# KiCad board Engine.kicad_pcb (continued)
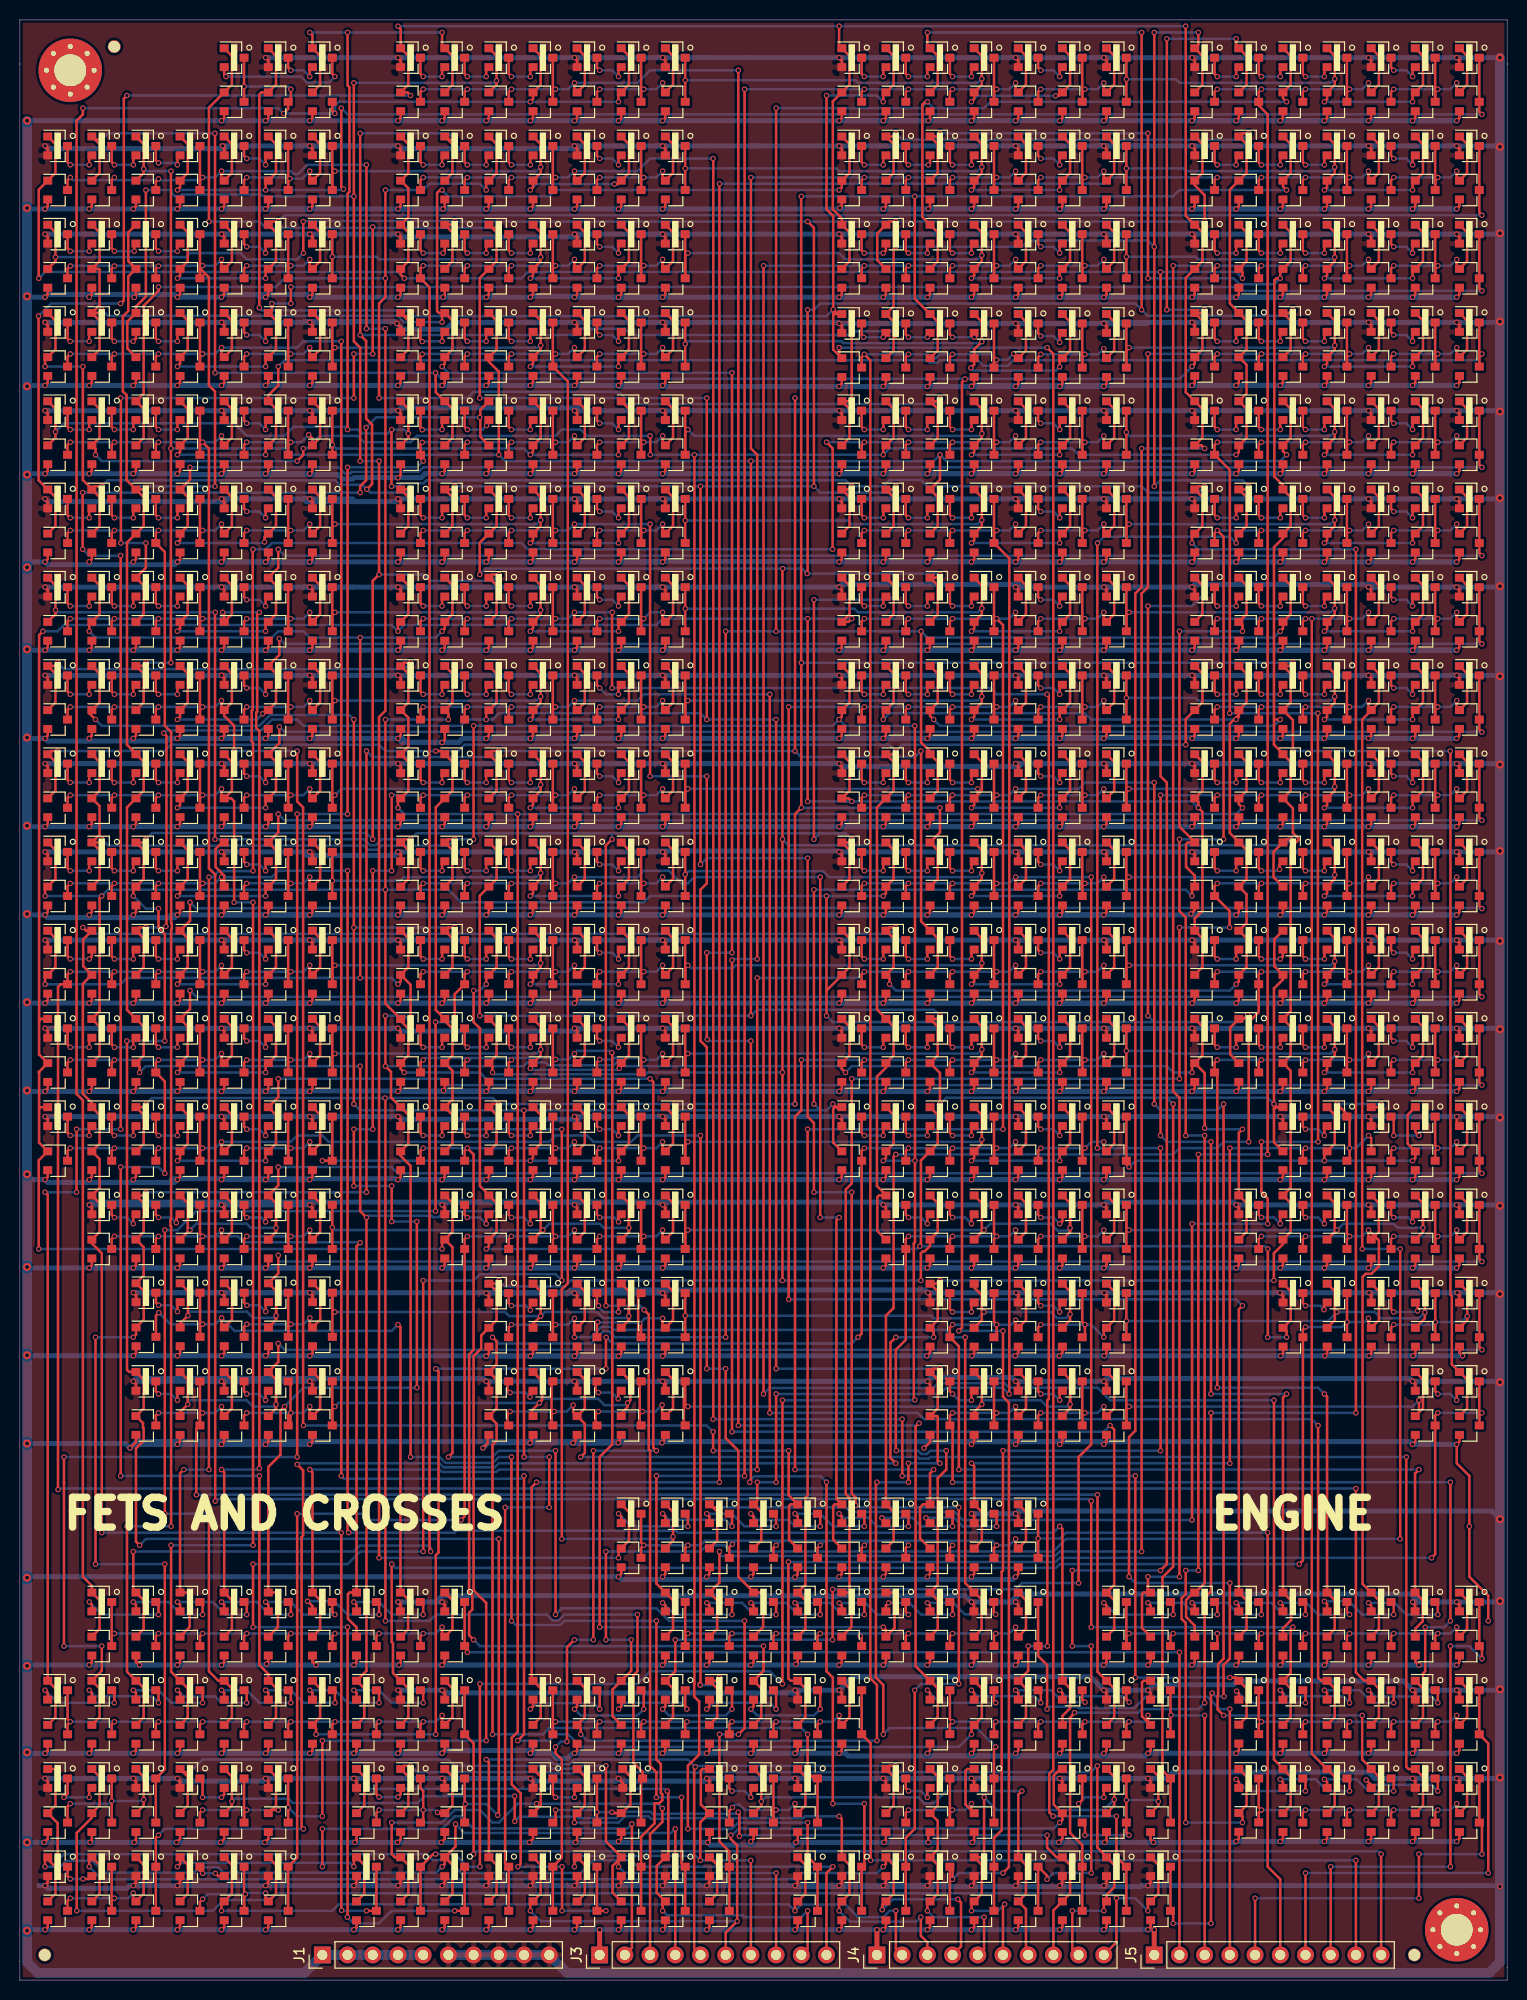
[diagram p0: board, top side]
## Routing (per net, layer and track width the routed paths; a pad name or vN(x,y) marks a point on that pad's centre or on a via; arc(x,y) is an arc through that point) (continued)
  Bottom w1: v2(0.73,187.32) v2(0.73,178.53) v2(0.73,169.64) v2(0.73,160.56) v2(0.73,151.67) v2(0.73,142.33) v2(0.73,134.08) v2(0.73,125.19) v2(0.73,116.3) v2(0.73,107.41) v2(0.73,98.52) v2(0.73,89.63) v2(0.73,81.19) v2(0.73,71.85) v2(0.73,62.96) v2(0.73,54.07) v2(0.73,40.55) v2(0.73,31.66) v2(0.73,22.95) v2(0.73,13.88) v2(0.73,4.99) 0.73,1.81 1.81,0.73 28.67,0.73 J1.1 J1.5
/Board_P1_0: length 105.8
  Top w0.25: 69.48,7.94 70.26,8.71 70.26,11.6 69.83,12.04 ; 69.83,12.04 Q1.1 ; 69.83,12.04 69.88,12.04 v1(70.48,11.43) ; v1(3.81,12.06) 3.81,15.82 Q39.1 3.59,17.6 3.59,21.19 3.51,21.27 Q40.1 ; v1(81.92,11.43) 81.28,10.79 J3.10
  Bottom w0.25: v1(81.92,11.43) v1(70.48,11.43) 62.23,11.43 61.59,12.06 57.79,12.06 56.51,10.79 44.45,10.79 43.14,12.1 41.6,12.1 41,12.7 4.44,12.7 v1(3.81,12.06)
/Board_P1_1: length 69.2
  Top w0.25: v1(64.77,6.98) 64.77,7.66 65.04,7.94 64.17,8.81 64.17,11.51 Q3.1 65.33,12.67 65.33,18.94 v1(65.23,19.05) ; Q45.1 34.7,17.6 34.7,19.91 ; J3.9 79.38,3.17 v1(79.38,6.98) ; v1(34.85,19.27) 34.7,19.42 34.7,19.91 ; 34.7,19.91 34.7,20.49 Q46.1
  Bottom w0.25: v1(64.77,6.98) 65.22,6.53 72.84,6.53 73.02,6.35 78.74,6.35 v1(79.38,6.98) ; v1(34.85,19.27) 65,19.27 v1(65.23,19.05)
/Board_P1_2: length 89.6
  Top w0.25: v1(17.14,20.95) 16.46,20.95 Q52.1 16.92,20.49 16.92,17.6 Q51.1 ; v1(59.05,21.59) 59.05,13.97 60.59,12.43 Q5.1 ; Q5.1 59.72,11.51 59.72,8.81 60.59,7.94 ; Q5.1 60.32,12.11 v1(60.32,11.43) ; J3.8 v1(76.2,10.79)
  Bottom w0.25: v1(17.14,20.95) 18.41,22.22 43.18,22.22 43.81,21.59 53.36,21.59 53.66,21.29 55.56,21.29 55.86,21.59 v1(59.05,21.59) ; v1(76.2,10.79) 60.96,10.79 v1(60.32,11.43)
/Board_P1_3: length 45
  Top w0.25: 56.15,7.94 56.93,8.71 56.93,11.6 Q7.1 55.88,12.11 v1(55.88,11.43) ; v1(68.56,12.06) 68.56,15.9 Q57.1 68.61,17.7 68.61,21.1 68.79,21.27 Q58.1 ; J3.7 v1(73.66,12.06)
  Bottom w0.25: v1(73.66,12.06) v1(68.56,12.06) 68.11,12.52 56.58,12.52 55.88,11.82 v1(55.88,11.43)
/Board_P1_4: length 80.2
  Top w0.25: Q9.1 52.48,11.6 52.48,8.71 51.43,7.66 v1(51.43,6.98) ; v1(71.64,14.6) 71.64,14.22 72.27,13.58 v1(72.27,5.93) 71.12,4.78 J3.6 ; Q64.1 104.84,21.27 104.17,20.61 104.17,17.7 Q63.1 105.05,16.14 v1(104.78,15.88)
  Bottom w0.25: v1(72.27,5.93) 52.49,5.93 v1(51.43,6.98) ; v1(71.64,14.6) 71.76,14.6 72.43,15.27 104.17,15.27 v1(104.78,15.88)
/Board_P1_5: length 82.5
  Top w0.25: 47.26,7.94 48.04,8.71 48.04,11.6 Q11.1 47.26,21.95 v1(46.99,22.22) ; Q69.1 88.04,17.6 88.04,20.49 Q70.1 87.59,21.59 v1(88.27,21.59) ; J3.5 67.95,3.17 67.95,21.38 v1(68.05,21.48)
  Bottom w0.25: v1(88.27,21.59) 68.16,21.59 v1(68.05,21.48) 67.31,22.22 55.85,22.22 55.37,21.74 53.85,21.74 53.37,22.22 v1(46.99,22.22)
/Board_P1_6: length 92.9
  Top w0.25: Q13.1 43.59,11.6 43.59,8.71 42.81,7.94 ; Q13.1 43.89,13.45 v1(43.89,15.74) ; Q13.1 42.81,11.7 v1(42.54,11.43) ; v1(2.54,11.43) 2.54,12.11 Q76.1 2.81,12.18 3.59,11.4 3.59,8.71 2.81,7.94 ; J3.4 v1(66.04,15.24)
  Bottom w0.25: v1(43.89,15.74) 44.8,14.82 65.62,14.82 v1(66.04,15.24) ; v1(2.54,11.43) 4.06,11.43 4.66,12.03 7.27,12.03 8.47,10.83 17.6,10.83 18.13,11.36 19.98,11.36 20.51,10.83 41.94,10.83 v1(42.54,11.43)
/Board_P1_7: length 60.1
  Top w0.25: 38.37,7.94 39.15,8.71 39.15,11.6 Q15.1 37.78,12.38 37.46,12.7 v1(37.46,15.88) ; v1(64.73,17.3) 64.73,15.94 63.5,14.71 J3.3 ; v1(52.07,17.78) 52.07,17.19 Q81.1 52.48,17.6 52.48,20.49 Q82.1
  Bottom w0.25: v1(37.46,15.88) 42.54,15.88 43.81,17.14 46.35,17.14 47.62,15.88 48.26,15.88 50.16,17.78 v1(52.07,17.78) 64.26,17.78 v1(64.73,17.3)
/Board_P1_8: length 80.6
  Top w0.25: 33.92,7.94 34.7,8.71 34.7,11.6 Q17.1 33.66,12.11 v1(33.66,11.43) ; 16.15,7.94 16.92,8.71 16.92,11.6 Q88.1 16.15,11.7 v1(15.87,11.43) ; v1(61.67,15.74) 61.67,3.25 J3.2 ; v1(30.48,15.24) v1(30.48,11.43)
  Bottom w0.25: 30.86,11.81 33.27,11.81 v1(33.66,11.43) ; 30.86,11.81 v1(30.48,11.43) ; 30.86,11.81 16.26,11.81 v1(15.87,11.43) ; v1(30.48,15.24) 42.55,15.24 43.82,16.51 44.45,16.51 45.69,15.27 61.21,15.27 v1(61.67,15.74)
/Board_P2_0: length 137.3
  Top w0.25: Q19.1 114.71,11.6 114.71,8.71 113.67,7.66 v1(113.67,6.98) ; v1(110.49,8.25) 110.49,3.81 J4.10 ; v1(5.74,6.98) 5.74,14.84 7.26,16.36 Q42.1 8.03,17.6 8.03,20.49 Q41.1
  Bottom w0.25: v1(5.74,6.98) 19.43,6.98 20.52,8.07 25.21,8.07 25.89,8.75 110,8.75 v1(110.49,8.25) 112.4,8.25 v1(113.67,6.98)
/Board_P2_1: length 99.7
  Top w0.25: v1(39.37,21.59) 38.69,21.59 Q47.1 39.15,20.49 39.15,17.6 Q48.1 ; v1(106.05,6.98) 106.05,3.17 J4.9 ; v1(109.22,6.98) 109.22,7.66 109.49,7.94 109.49,8.58 110.27,9.36 110.27,11.6 Q21.1 109.49,12.43 108.56,13.36 v1(108.56,21.59)
  Bottom w0.25: v1(108.56,21.59) 107.93,20.95 68.41,20.95 68.34,20.88 67.76,20.88 67.69,20.95 55.86,20.95 55.75,20.84 53.47,20.84 53.36,20.95 40,20.95 v1(39.37,21.59) ; v1(106.05,6.98) v1(109.22,6.98)
/Board_P2_2: length 107.5
  Top w0.25: v1(49.86,16) v1(49.86,18.54) ; J4.8 104.14,7.03 105.82,8.71 105.82,11.6 Q23.1 104.46,12.38 103.51,13.33 v1(103.51,14.6) ; v1(72.5,14.5) 72.5,16.81 v1(72.38,16.93) ; Q54.1 21.37,17.6 21.37,20.49 Q53.1
  Bottom w0.25: v1(49.86,18.54) 40.76,18.54 40.07,17.85 27.49,17.85 27.06,18.28 21.64,18.28 v1(21.37,18) ; v1(72.5,14.5) 72.6,14.6 v1(103.51,14.6) ; v1(49.86,16) 50.34,16.48 56.17,16.48 56.32,16.33 60.14,16.33 60.77,16.96 63.53,16.96 63.79,16.7 65.02,16.7 65.1,16.78 72.23,16.78 v1(72.38,16.93)
/Board_P2_3: length 50
  Top w0.25: Q59.1 74.71,20.49 v1(74.71,18) 74.71,17.6 Q60.1 ; v1(100.97,19.05) 100.6,18.69 Q25.1 101.38,11.6 101.38,8.71 100.6,7.94 101.38,7.16 101.38,2.76 J4.7
  Bottom w0.25: v1(100.97,19.05) 93.34,19.05 92.08,17.78 92.04,17.81 91.15,17.81 90.55,18.41 75.12,18.41 v1(74.71,18)
/Board_P2_4: length 41
  Top w0.25: Q65.1 110.27,20.49 v1(110.27,18.19) 110.27,17.6 Q66.1 ; J4.6 99.06,7.48 v1(99.23,7.65) ; v1(95.89,6.98) 95.89,7.66 96.93,8.71 96.93,11.6 Q27.1 96.86,12.38 97.16,12.68 v1(97.16,18.41)
  Bottom w0.25: v1(99.23,7.65) 98.56,6.98 v1(95.89,6.98) ; v1(110.27,18.19) 109.22,17.14 98.43,17.14 v1(97.16,18.41)
/Board_P2_5: length 26.4
  Top w0.25: Q71.1 92.49,20.49 92.49,17.6 Q72.1 92.49,16.05 92.49,13.16 Q29.1 92.49,11.6 92.49,8.71 91.44,7.66 v1(91.44,6.98) ; v1(97.16,6.35) 97.16,3.17 J4.5
  Bottom w0.25: v1(97.16,6.35) 92.08,6.35 v1(91.44,6.98)
/Board_P2_6: length 108.5
  Top w0.25: 7.26,7.94 8.03,8.71 8.03,11.6 Q77.1 6.99,12.11 v1(6.99,11.43) ; v1(86.89,7.09) 86.89,7.56 88.04,8.71 88.04,11.6 Q31.1 87.27,11.7 v1(87,11.43) ; v1(94.51,8.15) 94.83,7.83 94.83,3.39 J4.4
  Bottom w0.25: v1(86.89,7.09) 87.94,8.15 v1(94.51,8.15) ; v1(87,11.43) 86.36,10.79 78.74,10.79 78.11,10.16 8.26,10.16 v1(6.99,11.43)
/Board_P2_7: length 56.6
  Top w0.25: v1(82.55,6.98) 82.55,7.66 83.6,8.71 83.6,11.6 Q33.1 82.82,16.24 v1(82.55,16.51) ; v1(55.88,15.88) 55.88,16.55 Q84.1 56.93,17.6 56.93,20.49 Q83.1 ; v1(90.78,6.35) 90.78,4.47 91.44,3.81 J4.3
  Bottom w0.25: v1(82.55,6.98) 83.64,5.9 90.33,5.9 v1(90.78,6.35) ; v1(82.55,16.51) 79.12,16.51 78.94,16.33 65.28,16.33 65.21,16.25 63.6,16.25 63.34,16.51 60.96,16.51 60.32,15.88 v1(55.88,15.88)
/Board_P2_8: length 86.5
  Top w0.25: Q35.1 79.15,11.6 79.15,8.71 78.11,7.66 v1(78.11,6.98) ; Q89.1 21.37,11.6 21.37,8.71 20.32,7.66 v1(20.32,6.98) ; v1(88.27,6.98) 88.27,3.17 J4.2
  Bottom w0.25: v1(88.27,6.98) 87.63,6.98 87,6.35 84.45,6.35 83.19,7.62 78.74,7.62 v1(78.11,6.98) 77.46,7.63 32.13,7.63 31.48,6.98 v1(20.32,6.98)
/Computer0: length 107.4
  Top w0.25: Q235.3 Q236.3 45.09,33.38 v1(45.09,33.02) ; J5.2 v1(116.84,33.02)
  Bottom w0.25: v1(116.84,33.02) v1(45.09,33.02)
/Computer1: length 32
  Top w0.25: Q197.3 Q198.3 ; J5.3 v1(119.38,26.67)
  Bottom w0.25: v1(115.99,26.7) 116.03,26.67 v1(119.38,26.67)
/Computer2: length 55.5
  Top w0.25: Q169.3 Q170.3 102.6,32.66 103.51,31.75 v1(103.51,27.3) ; J5.4 v1(121.92,27.3)
  Bottom w0.25: v1(103.51,27.3) 103.75,27.55 106.56,27.55 106.71,27.4 112.3,27.4 113.43,28.54 119.67,28.54 120.9,27.3 v1(121.92,27.3)
/Computer3: length 40.8
  Top w0.25: Q151.3 Q152.3 147.32,15.6 v1(147.32,12.7) ; J5.5 v1(124.46,8.25) ; v1(140.97,8.25) v1(140.97,12.7)
  Bottom w0.25: v1(140.97,12.7) v1(147.32,12.7) ; v1(124.46,8.25) v1(140.97,8.25)
/Computer4: length 70.9
  Top w0.25: Q121.3 v1(102.6,44.48) Q122.3 ; J5.6 127,10.16 125.73,11.43 v1(125.73,45.08)
  Bottom w0.25: v1(102.6,44.48) 104.81,44.48 105.41,45.08 v1(125.73,45.08)
/Computer5: length 45.5
  Top w0.25: Q101.3 Q102.3 147.95,23.86 v1(147.95,10.79) ; J5.7 v1(129.54,10.79)
  Bottom w0.25: v1(129.54,10.79) v1(147.95,10.79)
/Computer6: length 52.7
  Top w0.25: Q119.3 Q120.3 147.32,33.38 v1(147.32,32.38) ; v1(144.14,33.66) v1(144.14,11.43) ; J5.8 v1(132.08,11.43)
  Bottom w0.25: v1(147.32,32.38) 146.05,33.66 v1(144.14,33.66) ; v1(132.08,11.43) v1(144.14,11.43)
/Computer7: length 76.3
  Top w0.25: Q185.3 Q186.3 ; Q186.3 85.73,23.86 v1(85.73,12.06) ; Q186.3 85.09,24.5 ; J5.9 v1(134.62,12.06)
  Bottom w0.25: v1(134.62,12.06) v1(85.73,12.06)
/Computer8: length 118.7
  Top w0.25: Q199.3 Q200.3 45.72,23.86 v1(45.72,12.7) ; J5.10 v1(137.16,12.7)
  Bottom w0.25: v1(137.16,12.7) 136.89,12.97 45.99,12.97 v1(45.72,12.7)
/M0_A: length 236.3
  Top w0.25: Q234.1 8.03,35.38 8.03,38.27 Q231.1 7.26,39.73 6.35,40.64 6.35,88.65 5.71,89.28 5.71,187.32 6.35,187.96 v1(6.35,188.59) ; Q962.1 52.48,193.85 52.48,190.96 Q964.1 51.7,189.5 v1(51.43,189.23) ; Q969.1 61.37,193.85 61.37,190.96 Q970.1 60.32,189.91 v1(60.32,189.23) ; v1(27.3,190.5) 27.3,189.5 Q971.3 27.03,188.51 v1(26.58,188.05) ; Q976.3 v1(22.59,190.77) Q975.3 ; v1(31.75,188.05) 31.48,188.32 Q972.3
  Bottom w0.25: v1(60.32,189.23) v1(51.43,189.23) 32.13,189.23 31.75,188.85 v1(31.75,188.05) v1(26.58,188.05) 26.03,188.59 v1(6.35,188.59) ; v1(22.59,190.77) 27.03,190.77 v1(27.3,190.5)
/M0_B: length 200.3
  Top w0.25: Q228.1 12.48,35.38 12.48,38.27 Q230.1 11.43,39.32 v1(11.43,43.18) ; Q836.3 Q838.3 53.7,172.45 v1(53.98,172.72) ; v1(40.64,172.72) 40.37,172.45 Q831.3 41.27,170.54 41.27,43.3 v1(41.39,43.18) ; Q832.3 44.81,172.45 v1(45.09,172.72) ; Q837.3 49.26,172.45 v1(49.53,172.72) ; v1(55.88,173.35) 55.88,172.67 Q841.1 56.93,173.18 56.93,176.07 Q842.1
  Bottom w0.25: v1(40.64,172.72) v1(53.98,172.72) 55.24,172.72 v1(55.88,173.35) ; v1(41.39,43.18) 41.39,43.57 41.18,43.78 34.25,43.78 33.65,43.18 v1(11.43,43.18)
/M0_C: length 223
  Top w0.25: Q222.1 17.11,35.57 17.11,38.78 16.84,39.05 Q229.1 16.15,51.07 v1(16.51,51.44) ; Q752.3 Q754.3 98.16,154.67 v1(98.43,154.94) ; Q747.3 84.82,154.67 v1(85.09,154.94) ; Q748.3 89.27,154.67 v1(89.54,154.94) ; Q753.3 93.71,154.67 v1(93.98,154.94) ; v1(100.33,155.57) 100.33,154.89 Q757.1 101.38,155.4 101.38,158.29 100.6,159.06 ; v1(19.05,51.44) v1(19.05,111.12) ; v1(23.49,111.76) 23.49,124.66 23.37,124.79 23.37,127.89 23.46,127.98 23.46,144.11 v1(23.49,144.14) ; v1(81.28,154.94) 81.89,154.33 v1(81.89,144.14)
  Bottom w0.25: v1(100.33,155.57) 99.7,154.94 v1(98.43,154.94) v1(85.09,154.94) v1(81.28,154.94) ; v1(23.49,111.76) 23.46,111.73 20.03,111.73 19.43,111.12 v1(19.05,111.12) ; v1(81.89,144.14) 53.98,144.14 53.94,144.18 51.15,144.18 50.55,144.78 25.4,144.78 24.77,144.14 v1(23.49,144.14) ; v1(16.51,51.44) v1(19.05,51.44)
/M0_E: length 143.6
  Top w0.25: Q233.1 21.37,35.38 21.37,38.27 Q225.1 20.59,51.16 v1(20.32,51.44) ; Q626.3 Q628.3 18.14,136.89 v1(18.41,137.16) ; Q621.3 4.81,136.89 v1(5.08,137.16) ; Q622.3 9.26,136.89 v1(9.53,137.16) ; Q627.3 13.7,136.89 v1(13.97,137.16) ; 20.59,141.28 21.37,140.51 21.37,137.62 Q631.1 20.59,137.64 v1(20.44,137.79) ; v1(24.13,137.79) 23.91,137.58 23.91,127.8 23.82,127.7 23.82,126.15 24.13,125.84 v1(24.13,51.55)
  Bottom w0.25: v1(5.08,137.16) v1(18.41,137.16) 20.19,137.16 20.44,137.41 v1(20.44,137.79) v1(24.13,137.79) ; v1(20.32,51.44) 24.01,51.44 v1(24.13,51.55)
/M0_F: length 143.9
  Top w0.25: Q227.1 26,35.57 26,38.78 25.73,39.05 Q224.1 25.03,51.7 26.26,52.93 26.26,57.37 v1(26.67,57.78) ; Q612.3 Q614.3 53.7,119.11 v1(53.98,119.38) ; Q607.3 40.37,119.11 v1(40.64,119.38) ; Q608.3 44.81,119.11 v1(45.09,119.38) ; Q613.3 49.26,119.11 v1(49.53,119.38) ; v1(55.88,120.01) 55.88,119.33 Q617.1 56.93,119.84 56.93,122.73 Q618.1 ; v1(37.46,80.01) v1(37.46,76.42) ; v1(40,59.69) v1(40,76.42) ; v1(35.56,85.72) v1(35.56,111.76) ; v1(37.44,119.38) 37.46,119.36 v1(37.46,111.76) ; v1(33.66,85.72) v1(33.66,80.01)
  Bottom w0.25: v1(55.88,120.01) 55.24,119.38 v1(53.98,119.38) v1(40.64,119.38) v1(37.44,119.38) ; v1(37.46,76.42) v1(40,76.42) ; v1(35.56,111.76) v1(37.46,111.76) ; v1(40,59.69) 28.57,59.69 v1(26.67,57.78) ; v1(37.46,80.01) v1(33.66,80.01) ; v1(33.66,85.72) v1(35.56,85.72)
/M0_G: length 155.1
  Top w0.25: Q221.1 30.26,35.38 30.26,38.27 Q223.1 29.48,51.16 v1(29.21,51.44) ; Q416.3 Q418.3 98.16,101.33 v1(98.43,101.6) ; Q411.3 84.82,101.33 v1(85.09,101.6) ; Q412.3 89.27,101.33 v1(89.54,101.6) ; Q417.3 93.71,101.33 v1(93.98,101.6) ; v1(100.33,102.23) 100.33,101.55 Q421.1 101.38,102.06 101.38,104.95 Q422.1 ; v1(74.3,51.44) v1(74.3,100.96)
  Bottom w0.25: v1(100.33,102.23) 99.7,101.6 v1(98.43,101.6) v1(85.09,101.6) 84.45,100.96 v1(74.3,100.96) ; v1(29.21,51.44) 42.29,51.44 42.52,51.2 48.03,51.2 48.26,51.44 v1(74.3,51.44)
/M0_K: length 80.5
  Top w0.25: Q252.1 21.37,78.28 21.37,75.39 Q251.1 20.32,74.88 v1(20.32,75.56) ; v1(9.53,74.93) 9.26,74.66 Q255.3 ; Q260.3 18.14,74.66 v1(18.41,74.93) 18.14,75.2 Q259.3 ; v1(13.97,74.93) 13.7,74.66 Q256.3 ; v1(34.29,74.29) 33.92,73.93 Q220.1 33.23,39.05 33.05,38.88 33.05,36.41 33.92,35.54 Q232.1
  Bottom w0.25: v1(9.53,74.93) v1(18.41,74.93) 19.68,74.93 ; 19.68,74.93 v1(20.32,75.56) ; 19.68,74.93 21.97,74.93 22.57,74.33 34.26,74.33 v1(34.29,74.29)
/M0_L: length 72.4
  Top w0.25: Q288.1 21.38,69.43 21.38,66.53 Q287.1 20.33,66.03 v1(20.33,66.71) ; Q293.3 Q294.3 18.16,65.81 v1(18.43,66.08) ; Q226.1 39.12,35.36 39.12,38.35 38.42,39.05 Q219.1 38.35,65.79 v1(38.1,66.04) ; Q291.3 13.71,66.95 v1(14,67.24)
  Bottom w0.25: v1(38.1,66.04) 37.46,65.4 21.64,65.4 v1(20.33,66.71) 19.7,66.08 v1(18.43,66.08) 15.17,66.08 v1(14,67.24)
/M1_A: length 235.3
  Top w0.25: Q196.1 92.49,26.51 92.49,29.38 Q194.1 90.25,31.62 90.25,55.75 v1(90.61,56.11) ; Q962.3 Q964.3 53.7,190.23 v1(53.98,190.5) ; Q957.3 40.37,190.23 v1(40.64,190.5) ; Q958.3 44.81,190.23 v1(45.09,190.5) ; Q963.3 49.26,190.23 v1(49.53,190.5) ; v1(55.88,191.13) 55.88,190.45 Q967.1 56.93,190.96 56.93,193.85 Q968.1 ; v1(72.39,192.41) v1(72.39,55.88)
  Bottom w0.25: v1(40.64,190.5) v1(53.98,190.5) 55.24,190.5 v1(55.88,191.13) 62.23,191.13 63.5,192.41 v1(72.39,192.41) ; v1(90.61,56.11) 90.38,55.88 v1(72.39,55.88)
/M1_B: length 257
  Top w0.25: Q193.1 96.93,29.38 96.93,26.49 95.89,25.44 v1(95.89,24.76) ; Q878.3 Q880.3 18.14,163.56 v1(18.41,163.83) ; Q873.3 4.81,163.56 v1(5.08,163.83) ; Q874.3 9.26,163.56 v1(9.53,163.83) ; Q879.3 13.7,163.56 v1(13.97,163.83) ; v1(20.32,164.47) 20.32,163.78 Q883.1 21.37,164.29 21.37,167.18 Q884.1 ; v1(32.38,50.8) v1(32.38,165.1) ; v1(50.8,50.8) 50.8,24.76 v1(50.16,24.13)
  Bottom w0.25: v1(5.08,163.83) v1(18.41,163.83) 19.68,163.83 v1(20.32,164.47) 27.94,164.47 28.57,165.1 v1(32.38,165.1) ; v1(50.16,24.13) 53.34,24.13 53.98,24.76 55.24,24.76 56.51,23.5 94.62,23.5 v1(95.89,24.76) ; v1(50.8,50.8) 50.53,50.53 32.66,50.53 v1(32.38,50.8)
/M1_E: length 194.1
  Top w0.25: 100.6,25.72 101.38,26.49 101.38,29.38 Q192.1 101.6,31.16 v1(101.6,33.66) ; Q640.3 Q642.3 53.7,136.89 v1(53.98,137.16) ; Q635.3 40.37,136.89 v1(40.64,137.16) ; Q636.3 44.81,136.89 v1(45.09,137.16) ; Q641.3 49.26,136.89 v1(49.53,137.16) ; v1(55.88,137.79) 55.88,137.11 Q645.1 56.93,137.62 56.93,140.51 56.15,141.28 ; v1(103.53,33.66) 103.53,58.4 103.67,58.55 103.67,129.37 v1(103.51,129.54) ; v1(59.67,130.17) 59.67,137.77 v1(59.69,137.79)
  Bottom w0.25: v1(40.64,137.16) v1(53.98,137.16) 55.24,137.16 v1(55.88,137.79) v1(59.69,137.79) ; v1(59.67,130.17) 97.79,130.17 98.43,129.54 v1(103.51,129.54) ; v1(101.6,33.66) v1(103.53,33.66)
/M1_F: length 204.3
  Top w0.25: Q584.3 Q586.3 18.14,110.22 v1(18.41,110.49) ; Q579.3 4.81,110.22 v1(5.08,110.49) ; Q580.3 9.26,110.22 v1(9.53,110.49) ; Q585.3 13.7,110.22 v1(13.97,110.49) ; v1(20.32,111.12) 20.32,110.44 Q589.1 20.59,111.28 19.72,112.15 19.72,113.95 20.38,114.61 Q590.1 ; 105.05,25.72 105.05,26.62 105.82,27.39 105.82,29.38 Q189.1 105.05,45.45 v1(104.78,45.72) ; v1(33.14,45.08) 33.02,45.2 v1(33.02,111.76)
  Bottom w0.25: v1(5.08,110.49) v1(18.41,110.49) 19.68,110.49 v1(20.32,111.12) 25.4,111.12 26.03,111.76 v1(33.02,111.76) ; v1(33.14,45.08) 43.82,45.08 44.01,45.28 66.1,45.28 66.29,45.08 104.14,45.08 v1(104.78,45.72)
/M1_M: length 142.1
  Top w0.25: 20.59,61.28 21.37,60.5 21.37,57.61 Q327.1 20.32,57.1 v1(20.32,57.78) ; Q333.3 Q334.3 ; Q334.3 18.14,56.88 v1(18.41,57.15) ; Q334.3 17.78,55.51 v1(17.78,48.89) ; v1(13.97,57.15) 13.7,56.88 Q331.3 ; 109.49,25.72 110.27,26.49 110.27,29.38 Q188.1 108.59,31.06 v1(108.59,48.89)
  Bottom w0.25: v1(13.97,57.15) v1(18.41,57.15) 19.68,57.15 v1(20.32,57.78) ; v1(17.78,48.89) 17.8,48.92 108.56,48.92 v1(108.59,48.89)
/M2_A: length 209.5
  Top w0.25: Q982.3 Q984.3 98.16,190.23 v1(98.43,190.5) ; Q977.3 84.82,190.23 v1(85.09,190.5) ; Q978.3 89.27,190.23 v1(89.54,190.5) ; Q983.3 93.71,190.23 v1(93.98,190.5) ; v1(100.33,191.13) 100.33,190.45 Q987.1 101.38,190.96 101.38,193.85 Q988.1 ; v1(73.03,190.5) v1(73.03,50.8) ; Q168.1 65.82,35.38 65.82,38.27 Q165.1 64.14,39.95 v1(64.14,50.8)
  Bottom w0.25: v1(100.33,191.13) 99.7,190.5 v1(98.43,190.5) v1(85.09,190.5) v1(73.03,190.5) ; v1(73.03,50.8) v1(64.14,50.8)
/M2_B: length 212.3
  Top w0.25: Q920.3 Q922.3 133.72,163.56 v1(133.98,163.83) ; Q915.3 120.38,163.56 v1(120.65,163.83) ; Q916.3 124.83,163.56 v1(125.1,163.83) ; Q921.3 129.27,163.56 v1(129.54,163.83) ; v1(135.89,164.47) 135.89,163.78 Q925.1 136.94,164.29 136.94,167.18 Q926.1 ; v1(70.48,43.18) 70.48,40.05 Q164.1 70.26,38.27 70.26,35.38 Q162.1 ; v1(113.67,163.83) 113.67,140.33 113.03,139.7 v1(113.03,43.18)
  Bottom w0.25: v1(135.89,164.47) 135.25,163.83 v1(133.98,163.83) v1(120.65,163.83) v1(113.67,163.83) ; v1(113.03,43.18) 104.78,43.18 104.33,42.73 70.55,42.73 70.48,42.79 v1(70.48,43.18)
/M2_D: length 161.8
  Top w0.25: Q794.3 Q796.3 53.7,145.78 v1(53.98,146.05) ; Q789.3 40.37,145.78 v1(40.64,146.05) ; Q790.3 44.81,145.78 v1(45.09,146.05) ; Q795.3 49.26,145.78 v1(49.53,146.05) ; v1(55.88,146.69) 55.88,146 Q799.1 56.93,146.51 56.93,149.4 Q800.1 ; v1(69.22,121.28) 69.22,110.49 68.58,109.85 68.58,94.61 69.22,93.98 v1(69.22,61.59) ; Q156.1 74.9,35.57 74.9,38.78 74.63,39.05 Q163.1 73.93,39.1 72.39,40.64 72.39,53.34 71.12,54.61 v1(71.12,61.59) ; v1(63.5,121.28) v1(63.5,146.69)
  Bottom w0.25: v1(40.64,146.05) v1(53.98,146.05) 55.24,146.05 v1(55.88,146.69) v1(63.5,146.69) ; v1(69.22,121.28) v1(63.5,121.28) ; v1(71.12,61.59) v1(69.22,61.59)
